# Altium PCB SVPX_FMC_6U_SOM.PcbDoc (part 1 of 9) (continued)
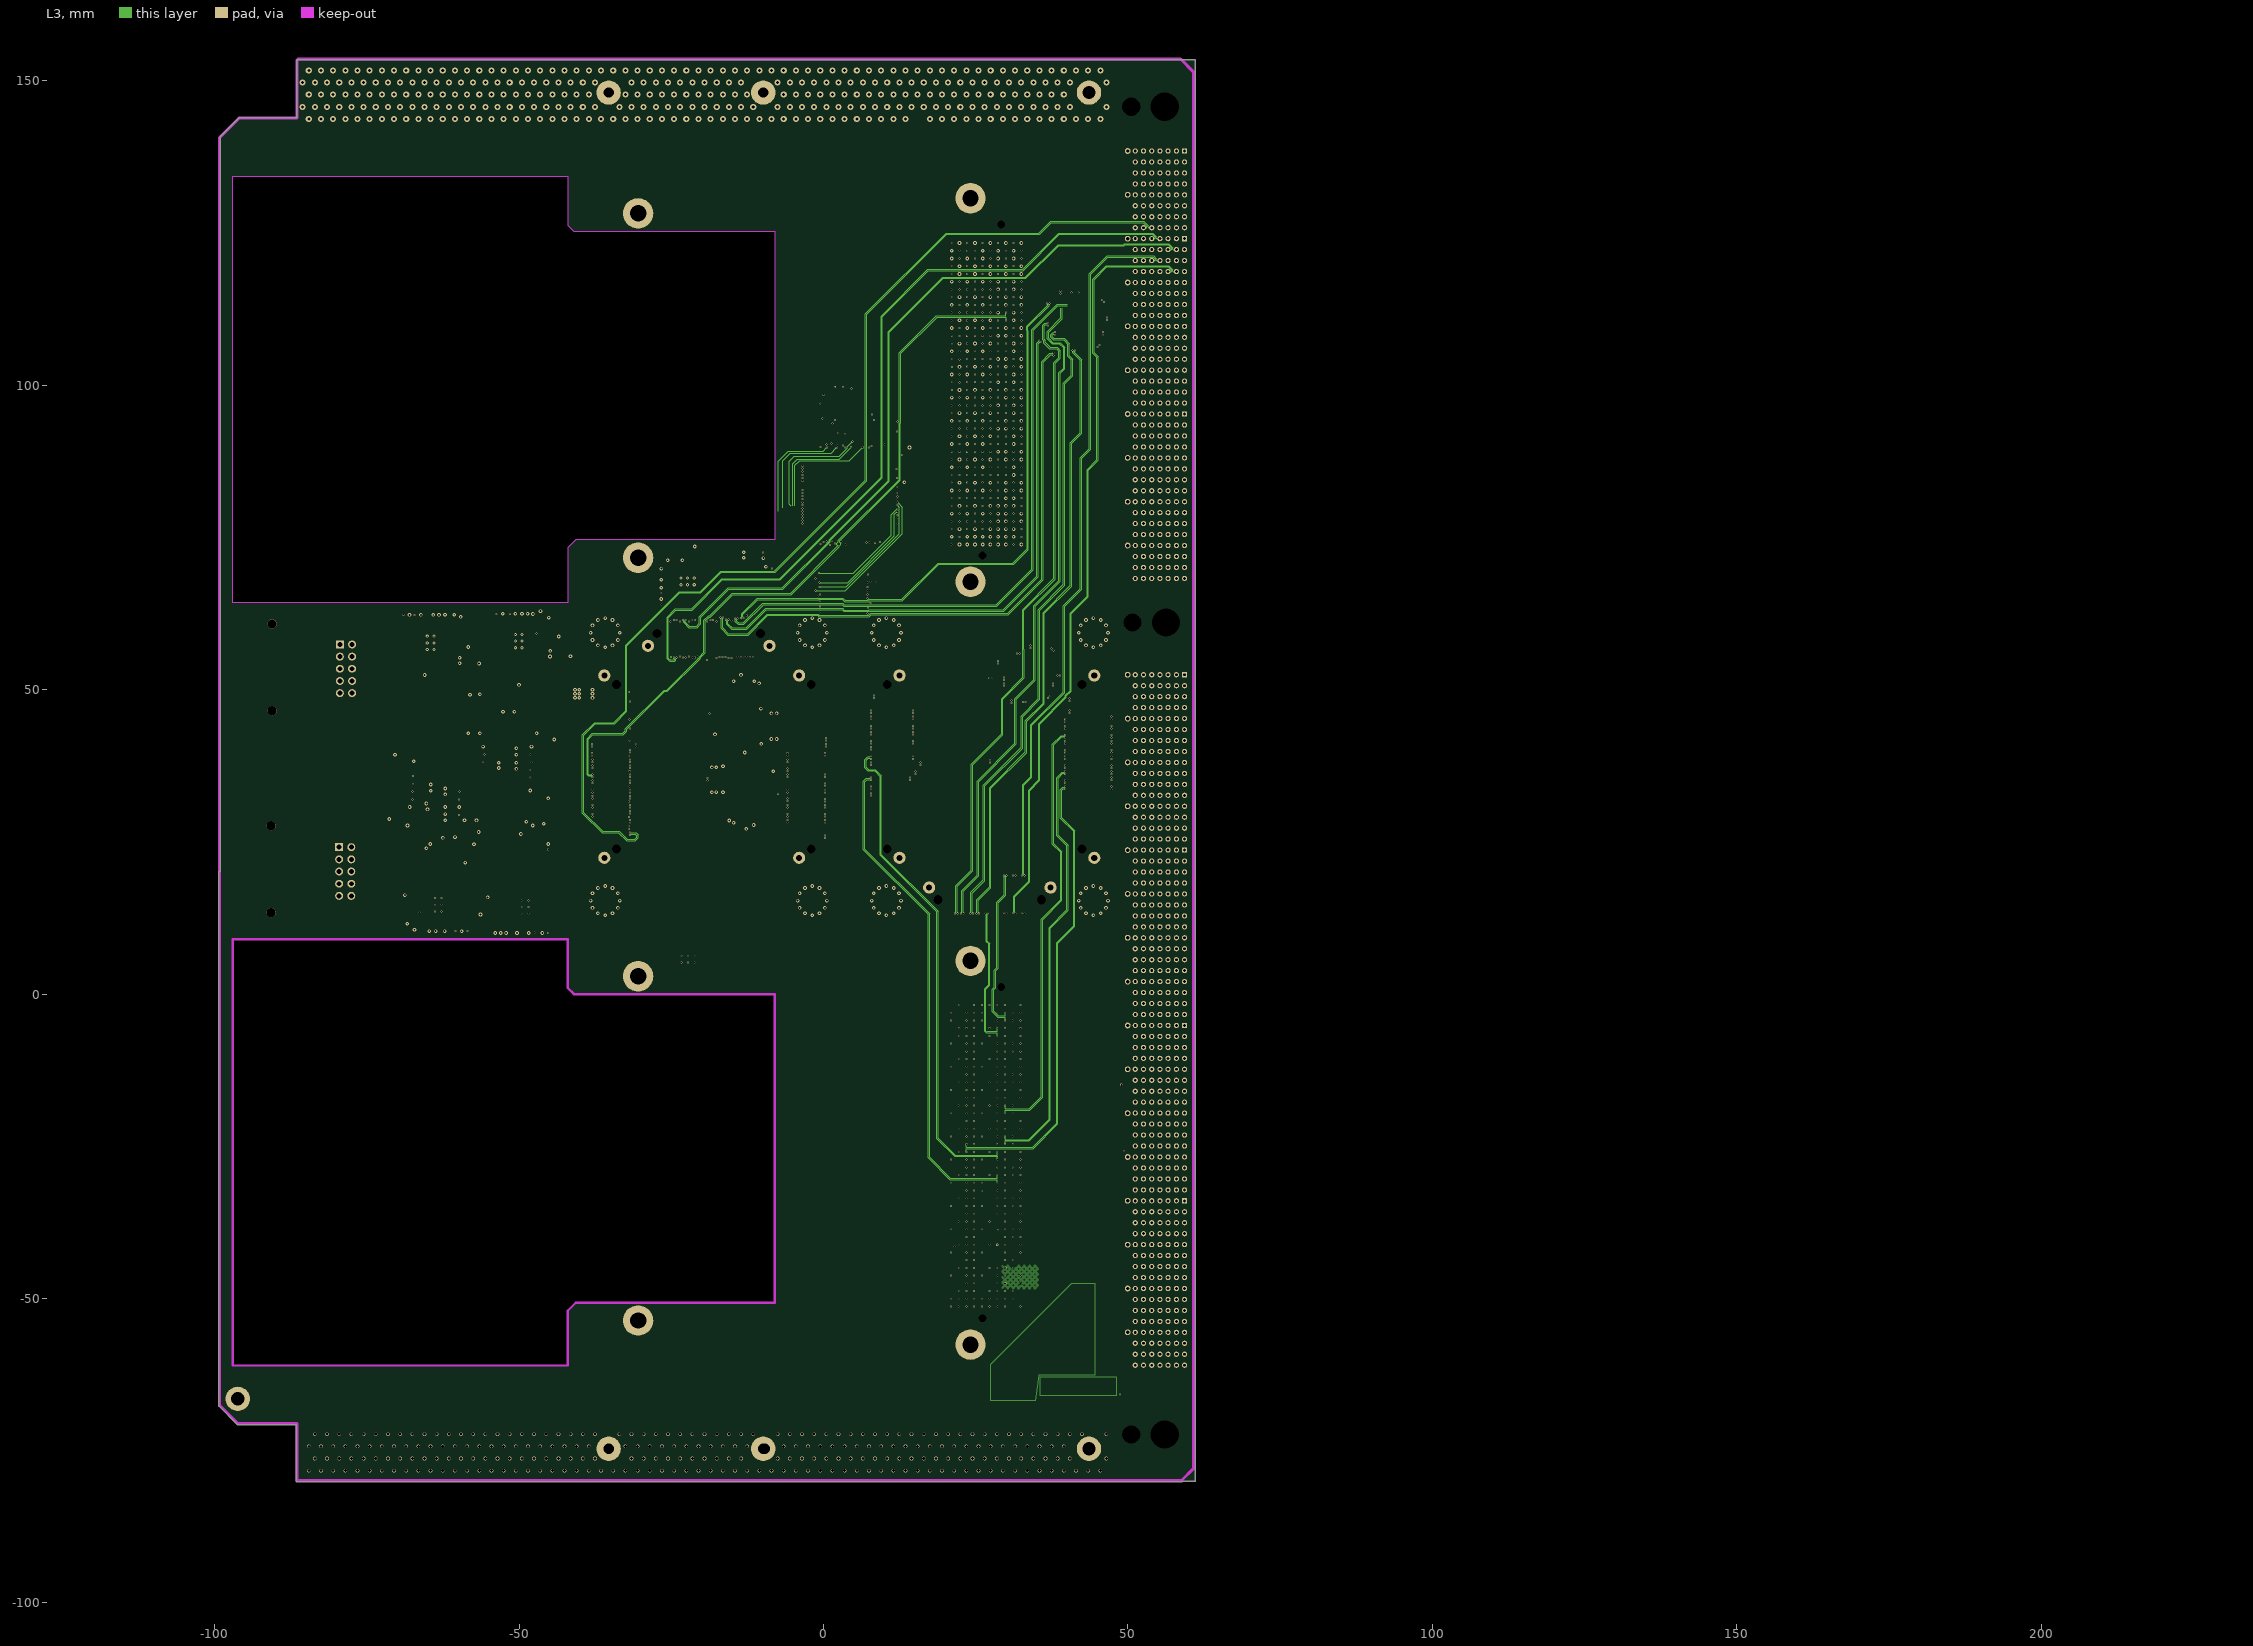
[diagram p7: L3]
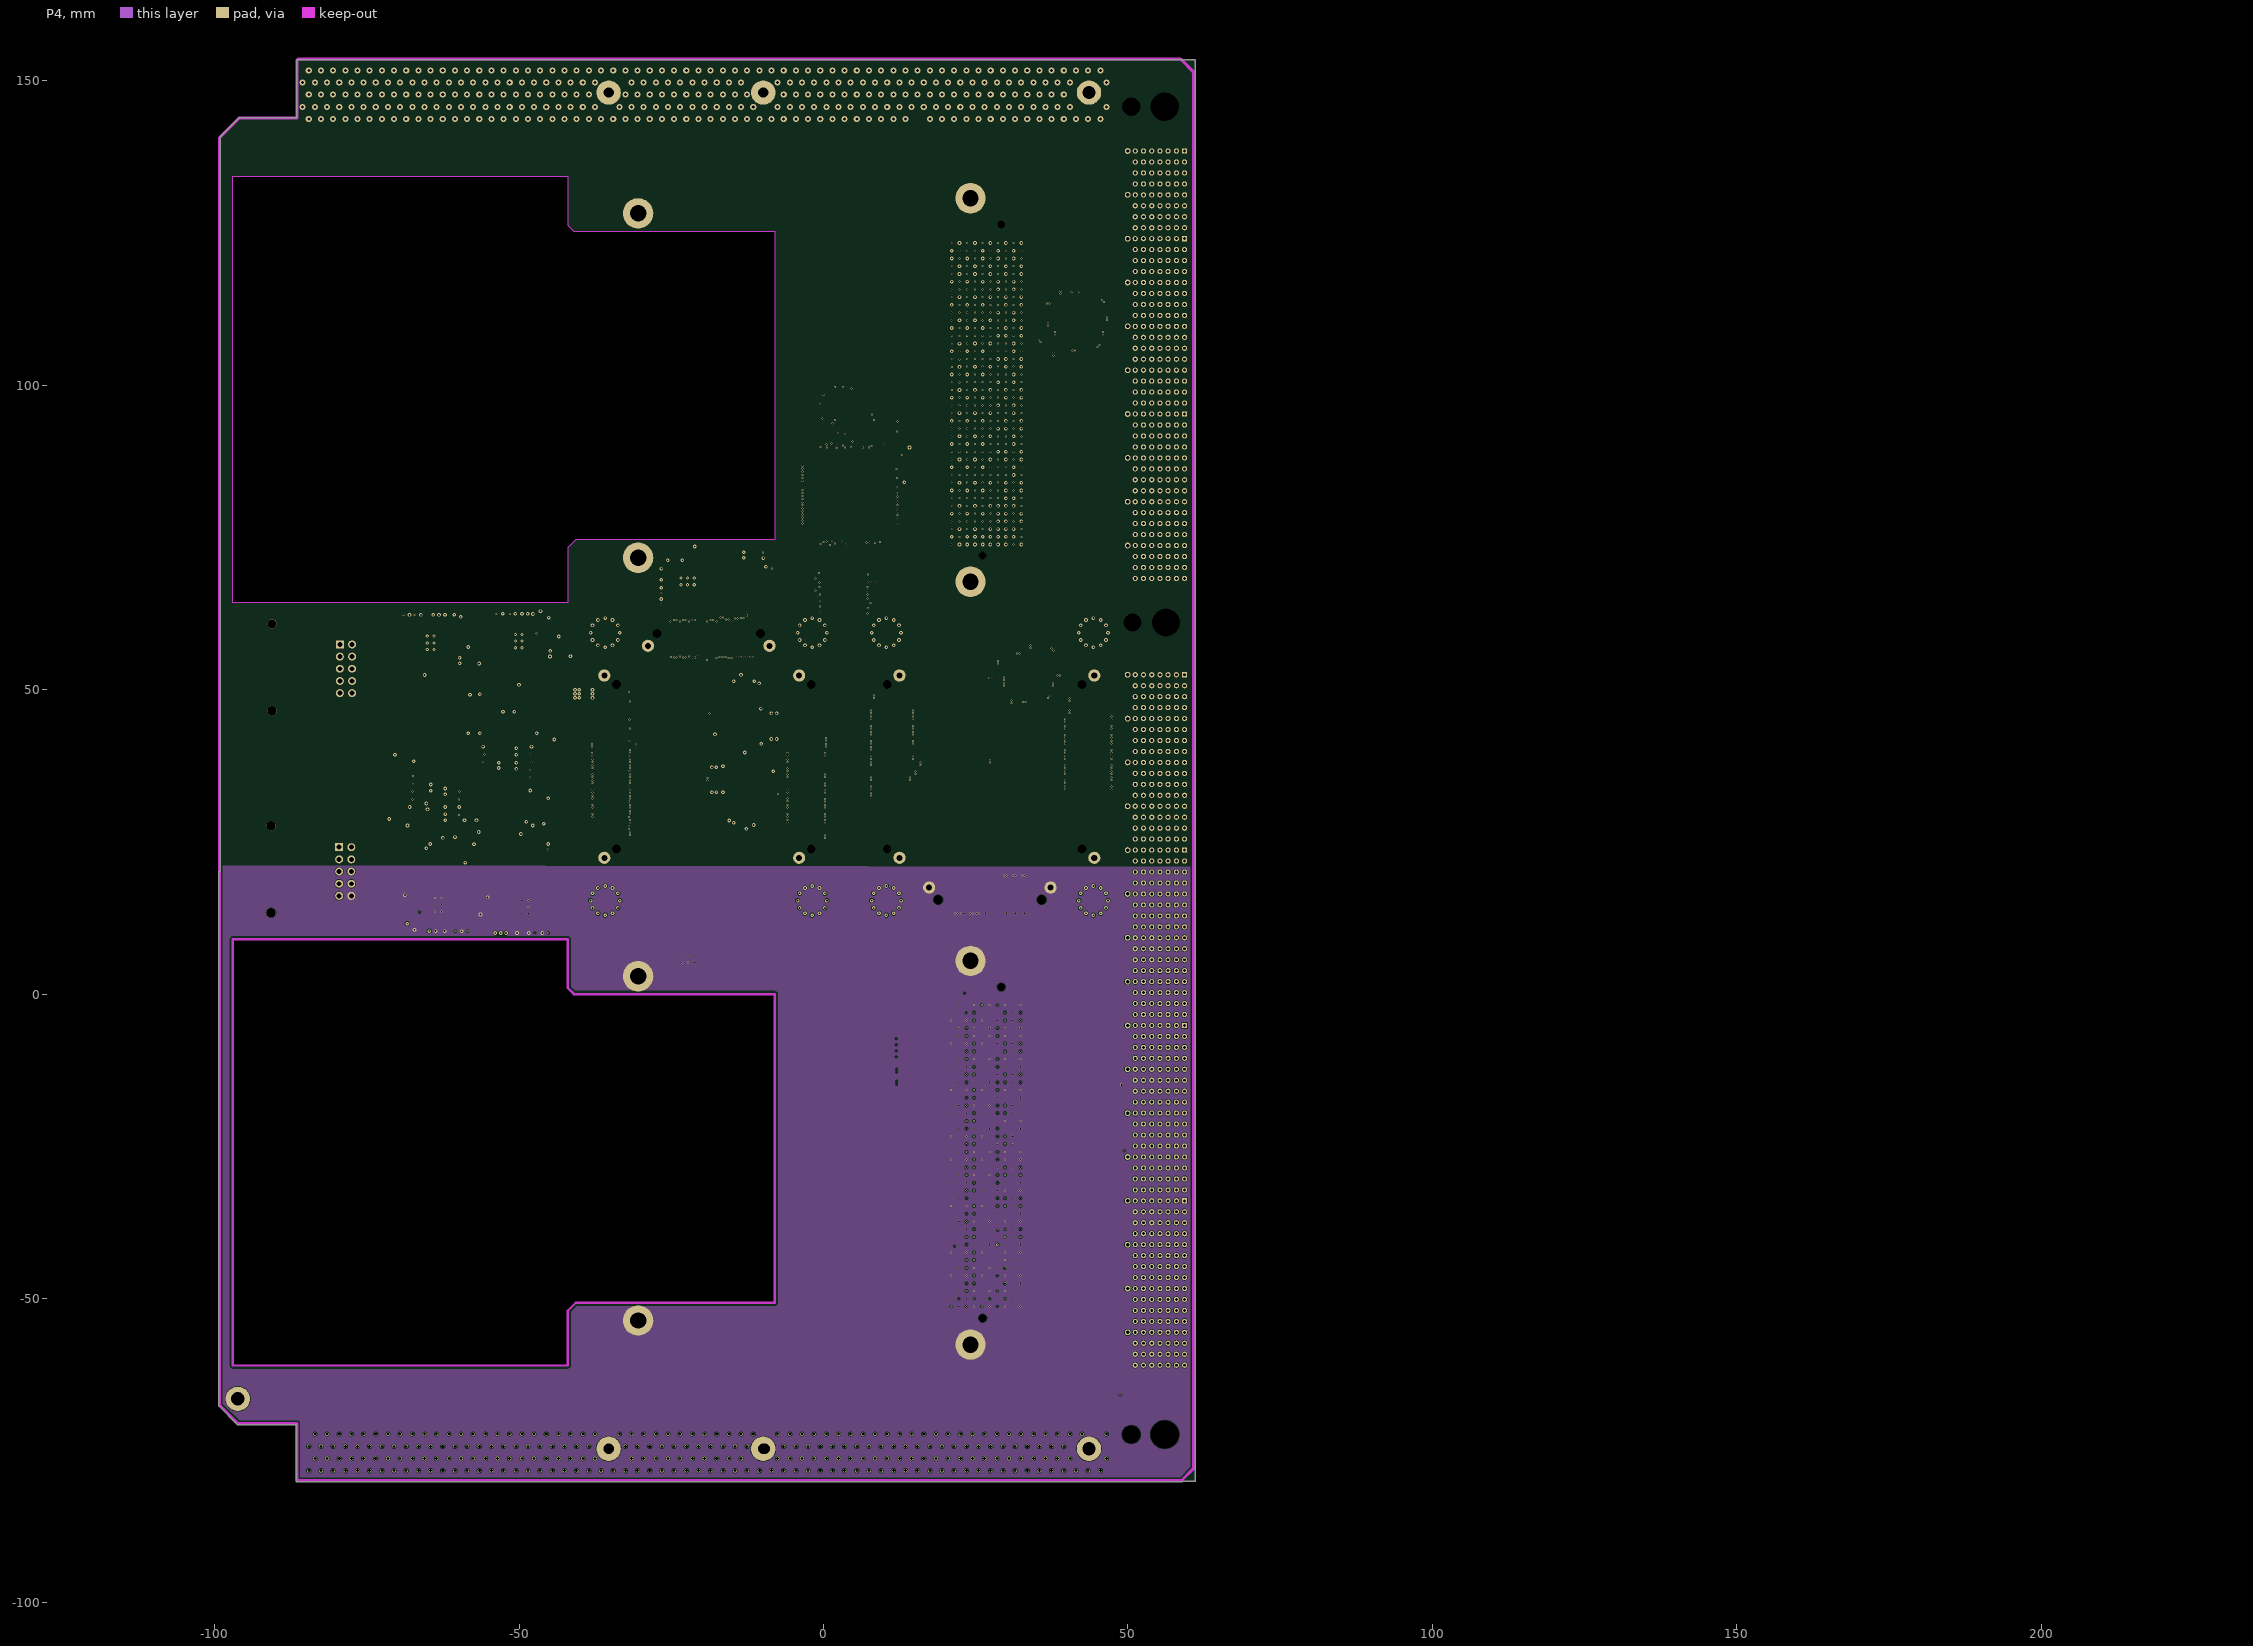
[diagram p8: P4]
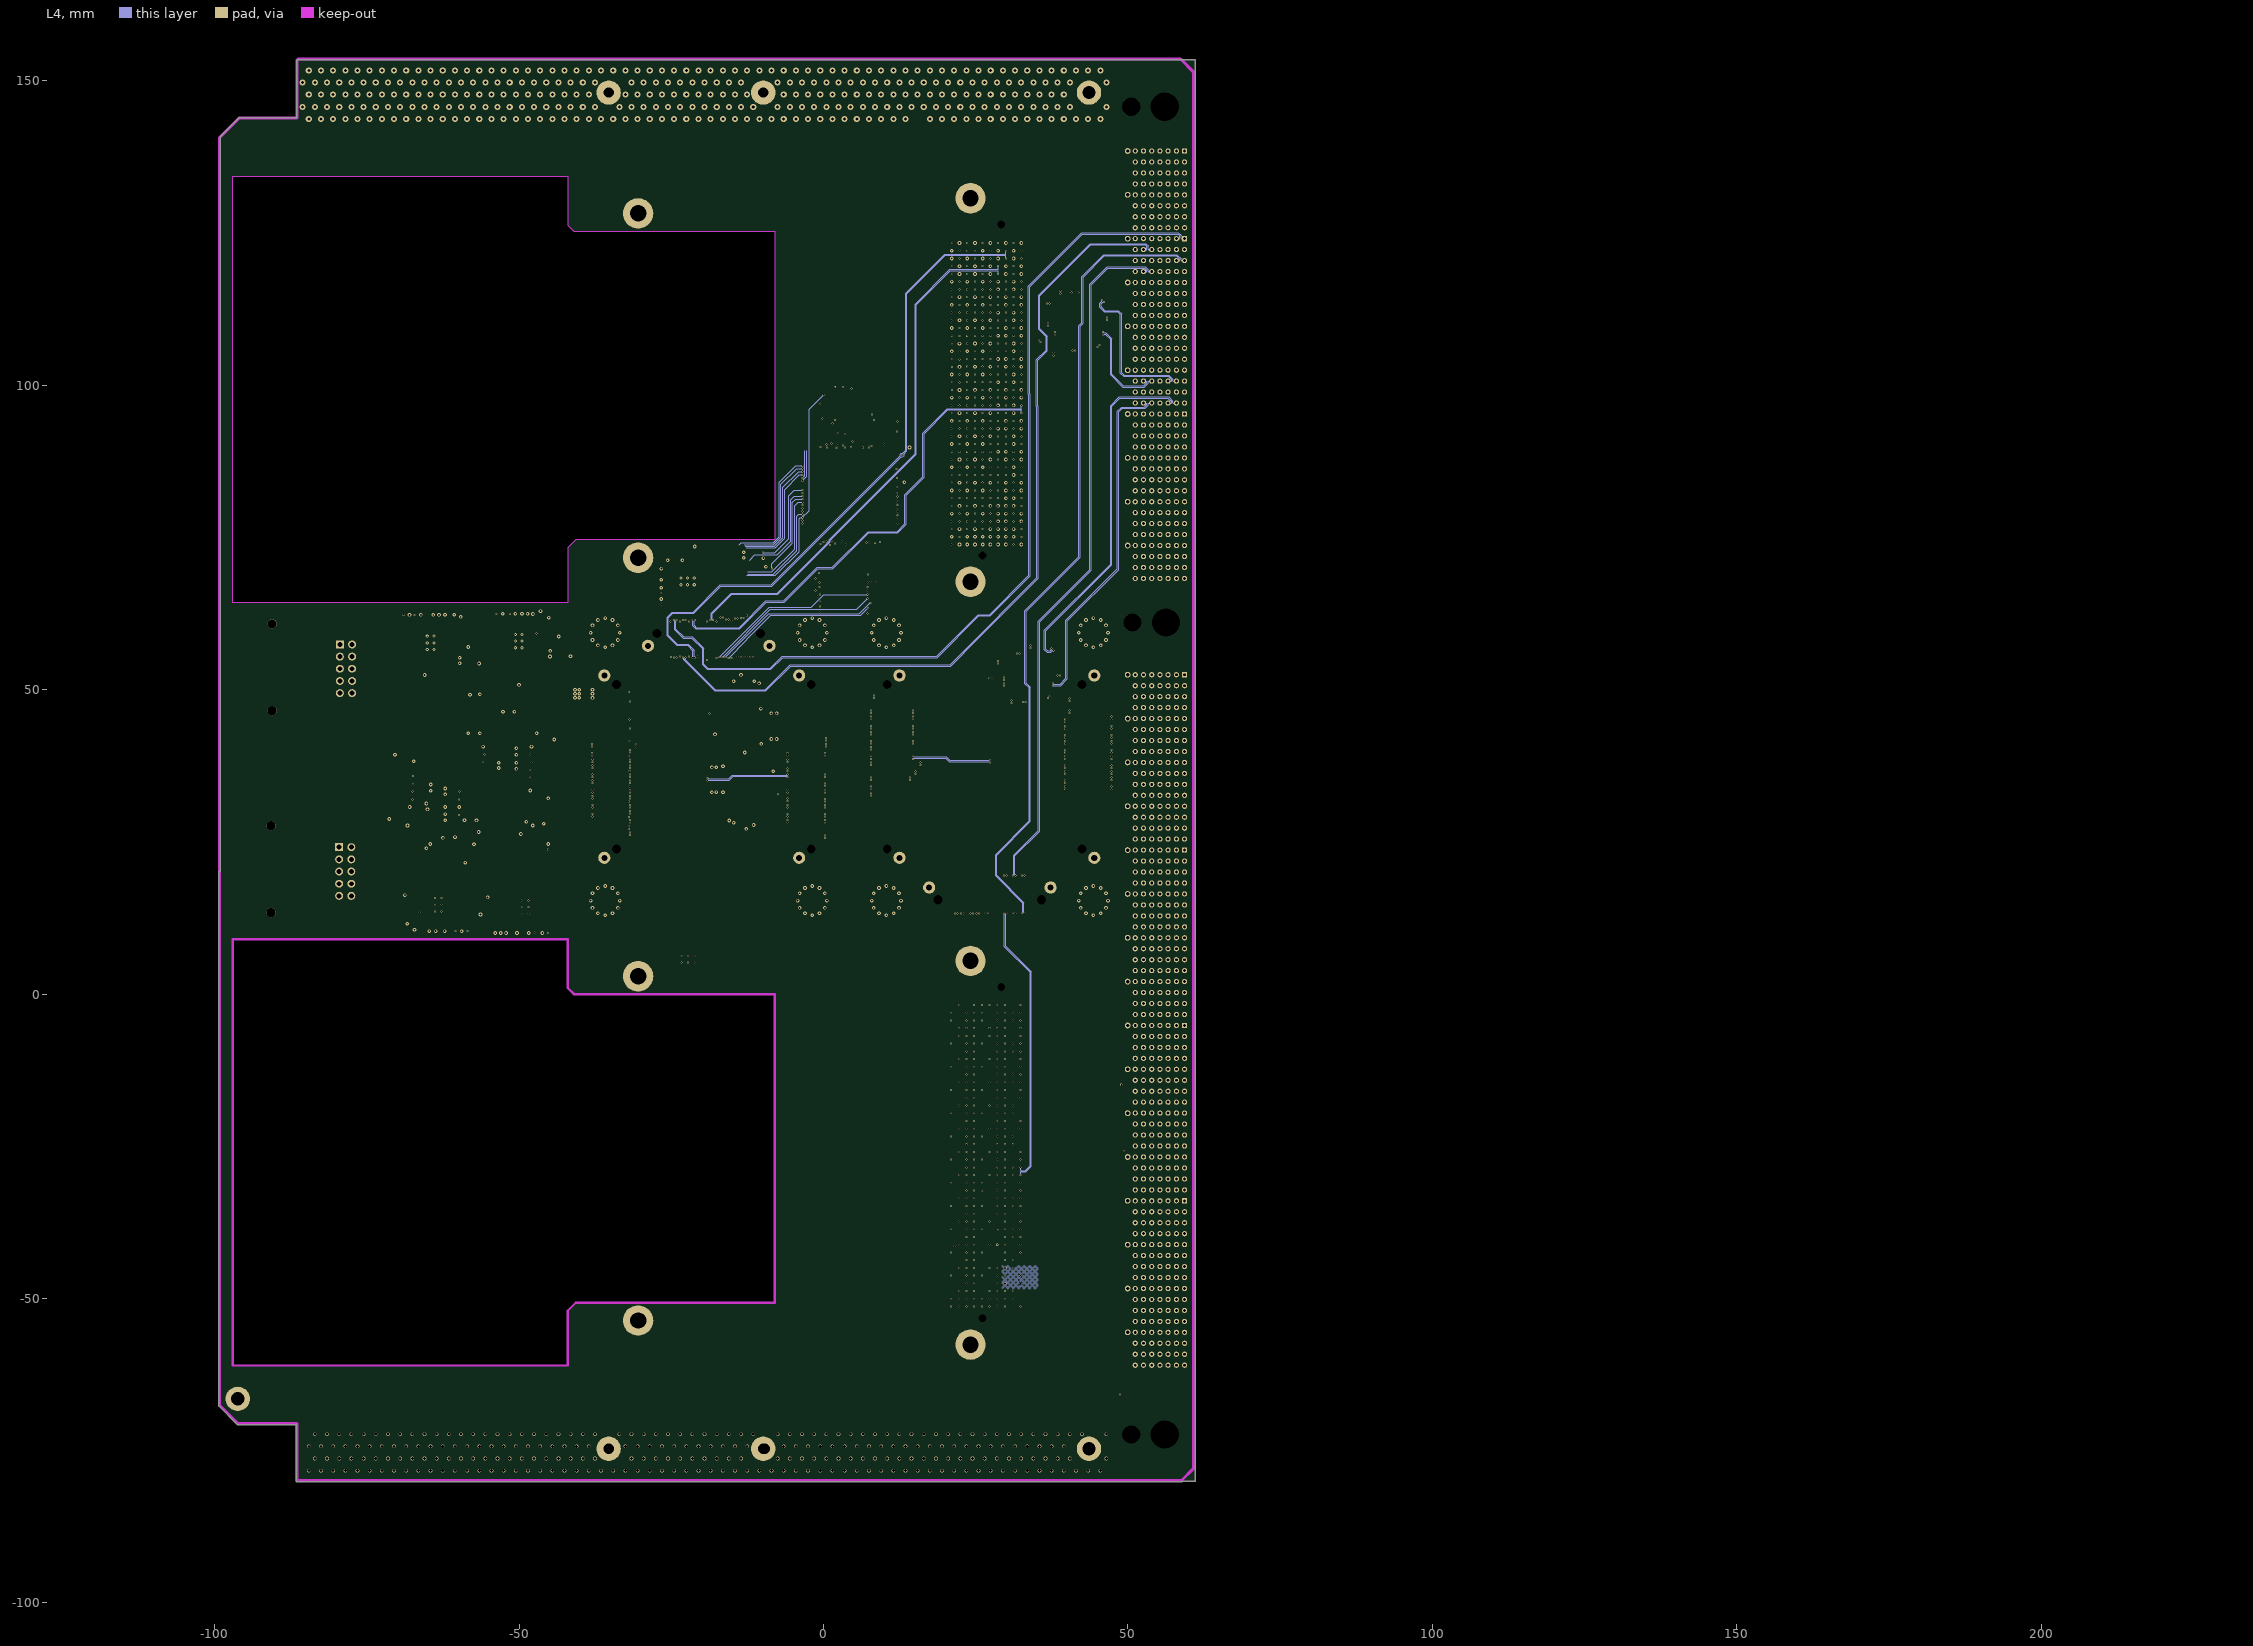
[diagram p9: L4]

## Layer stack, top to bottom
Top Solder: solder mask 0.01, Solder Resist, Dk 3.5
Top Layer: signal copper 0.053
Dielectric 1: prepreg 0.18, FR-4, Dk 4.7
L1: signal copper 0.0178
Dielectric 3: core 0.15, FR-4, Dk 4.7
P1: signal copper 0.018
Dielectric 4: prepreg 0.18, FR-4, Dk 4.7
L2: signal copper 0.018
Dielectric 8: core 0.15, FR-4, Dk 4.7
P2: signal copper 0.0178
Dielectric 2: prepreg 0.18, FR-4, Dk 4.7
P3: signal copper 0.018
Dielectric 9: core 0.15, FR-4, Dk 4.7
L3: signal copper 0.018
Dielectric 5: prepreg 0.18, FR-4, Dk 4.7
P4: signal copper 0.018
Dielectric 6: core 0.15, FR-4, Dk 4.7
L4: signal copper 0.0178
Dielectric 7: prepreg 0.18, FR-4, Dk 4.7
Bottom Layer: signal copper 0.053
Bottom Solder: solder mask 0.01, Solder Resist, Dk 3.5

## Board outline
-99.286,-67.675 cw(c-99.196,-67.585) -99.323,-67.585 -99.323,20.015 cw(c-99.196,20.015) -99.196,20.143 -99.046,20.143 -99.046,140.865 cw(c-98.996,140.865) -99.031,140.901 -96.032,143.901 cw(c-95.996,143.865) -95.996,143.916 -86.546,143.916 -86.546,153.365 cw(c-86.496,153.365) -86.496,153.416 61.004,153.416 cw(c61.004,153.365) 61.054,153.365 61.054,-79.985 cw(c61.004,-79.985) 61.004,-80.035 58.934,-80.035 58.894,-80.075 58.894,-80.074 cw(c58.804,-79.985) 58.804,-80.112 -86.496,-80.112 cw(c-86.496,-79.985) -86.623,-79.985 -86.623,-70.712 -96.196,-70.712 cw(c-96.196,-70.585) -96.287,-70.674 -96.286,-70.675
cut-out: -8,125.279 -8,74.579 -40.7,74.579 -42,73.279 -42,64.279 -97,64.279 -97,134.279 -42.002,134.279 -42,126.279 -41,125.279
cut-out: -8,0 -8,-50.7 -40.7,-50.7 -42,-52 -42,-61 -97,-61 -97,9 -42.002,9 -42,1 -41,0

## Design rules (kind name [scope] priority, off if disabled: settings)
Clearance Clearance_copper_balancing [InPoly vs OnLayer('Keep-Out Layer')] p1 off: gap=0.254 ignorepadtopadclearanceinfootprint=FALSE
Clearance Clearance_Diff_BGA_Pow [InPoly and (OnLayer('P4') or OnLayer('P3') or OnLayer('P2') or OnLayer('P1')) vs (InDifferentialPairClass('All Differential Pairs')   and (WithinRoom('BGA')or WithinRoom('U_FMC_connector') or WithinRoom('U_FMC_connector1') or WithinRoom('CLK_prot')))] p2: gap=0.4 ignorepadtopadclearanceinfootprint=FALSE except(0.1: Arc-Arc Arc-Track Arc-Via Arc-Fill Arc-Poly Arc-Region Arc-Hole Track-Track Track-Via Track-Fill Track-Poly Track-Region Track-Hole Via-Fill Via-Poly Via-Region; 0.2: THPad-Fill THPad-Poly THPad-Region Fill-Fill Fill-Poly Fill-Region Fill-Hole Poly-Poly Poly-Region Poly-Hole Region-Region Region-Hole)
Clearance Clearance_Diff_BGA [InPoly vs (InDifferentialPairClass('All Differential Pairs')   and (WithinRoom('U_FMC_connector1') or WithinRoom('U_FPGA SDRAM bank') or WithinRoom('CLK_prot')))] p3: gap=0.4 ignorepadtopadclearanceinfootprint=FALSE except(0.1: Arc-Via Arc-Hole Track-Via Track-Hole Via-Fill Via-Poly Via-Region; 0.2: THPad-Fill THPad-Poly THPad-Region Fill-Fill Fill-Poly Fill-Region Fill-Hole Poly-Poly Poly-Region Poly-Hole Region-Region Region-Hole)
Clearance Clearance_Diff_P [InPoly vs (InDifferentialPairClass('All Differential Pairs'))] p4: gap=0.4 ignorepadtopadclearanceinfootprint=FALSE
Clearance Clearance_Diff_Gap [(InDifferentialPairClass('All Differential Pairs'))] p5: gap=0.1 ignorepadtopadclearanceinfootprint=FALSE except(0: Text-Hole)
Clearance Clearance_BGA [WithinRoom('BGA') or WithinRoom('U_FPGA SDRAM bank')] p6: gap=0.1 ignorepadtopadclearanceinfootprint=FALSE
Clearance Clearance_Diff_Diff [(InDifferentialPairClass('All Differential Pairs')) vs (InDifferentialPairClass('All Differential Pairs'))] p7: gap=0.3 ignorepadtopadclearanceinfootprint=TRUE except(0.175: Arc-SMDPad Track-SMDPad SMDPad-Via; 0.2: SMDPad-SMDPad SMDPad-THPad SMDPad-Fill SMDPad-Poly SMDPad-Region SMDPad-Text SMDPad-Hole Via-Via)
Clearance Clearance_KeepOut [OnLayer('Keep-Out Layer')] p8: gap=0.3 ignorepadtopadclearanceinfootprint=FALSE except(0: Arc-Hole Track-Hole SMDPad-Hole THPad-Hole Via-Hole Fill-Hole Poly-Hole Region-Hole Text-Hole; 0.2: Arc-SMDPad Arc-THPad Track-SMDPad Track-THPad SMDPad-SMDPad SMDPad-THPad SMDPad-Via SMDPad-Fill SMDPad-Poly SMDPad-Region SMDPad-Text THPad-THPad THPad-Via THPad-Fill THPad-Poly THPad-Region THPad-Text Via-Via)
Clearance Clearance_LPDDR [InNetClass('LPDDR')] p9: gap=0.1 ignorepadtopadclearanceinfootprint=FALSE except(0.4: Arc-Fill Arc-Poly Arc-Region Track-Fill Track-Poly Track-Region THPad-Fill THPad-Poly THPad-Region Fill-Fill Fill-Poly Fill-Region Poly-Poly Poly-Region Region-Region)
Clearance Clearance_outerL [OnBottomLayer or OnTopLayer] p10: gap=0.125 ignorepadtopadclearanceinfootprint=FALSE except(0: Arc-Hole Track-Hole SMDPad-Hole THPad-Hole Via-Hole Fill-Hole Poly-Hole Region-Hole Text-Hole)
Clearance Clearance_innerL [OnMid] p11: gap=0.1 ignorepadtopadclearanceinfootprint=FALSE except(0: Arc-Hole Track-Hole SMDPad-Hole THPad-Hole Via-Hole Fill-Hole Poly-Hole Region-Hole Text-Hole; 0.08: THPad-Fill THPad-Poly THPad-Region)
Clearance [All] p12: gap=0.254 ignorepadtopadclearanceinfootprint=FALSE except(0: Arc-Hole Track-Hole SMDPad-Hole THPad-Hole Via-Hole Fill-Hole Poly-Hole Region-Hole Text-Hole; 0.1: Arc-Via Track-Via SMDPad-Via THPad-Via Via-Via Via-Fill Via-Poly Via-Region Via-Text)
ComponentClearance S_VPX_Clerance [InComponentClass('U_HDN_Control_Data') or InComponentClass('U_HDN_Management') vs InComponentClass('U_HDN_Control_Data') or InComponentClass('U_HDN_Management')] p1: gap=0.1 collisioncheckmode=3 verticalgap=0.1 showdistances=FALSE
ComponentClearance Kasetka_Clerance_J15 [OnMechanical and not IsComponent vs InComponent('J15')] p2: gap=-10 collisioncheckmode=3 verticalgap=-10 showdistances=FALSE
ComponentClearance Kasetka_Clerance_J19 [OnMechanical and not IsComponent vs InComponent('J19')] p3: gap=-10 collisioncheckmode=3 verticalgap=-10 showdistances=FALSE
ComponentClearance Kasetka_Clerance_J20 [OnMechanical and not IsComponent vs InComponent('J20')] p4: gap=-10 collisioncheckmode=3 verticalgap=-10 showdistances=FALSE
ComponentClearance Kasetka_Clerance_J9 [OnMechanical and not IsComponent vs InComponent('J9')] p5: gap=-10 collisioncheckmode=3 verticalgap=-10 showdistances=FALSE
ComponentClearance Kasetka_Clerance_J11 [OnMechanical and not IsComponent vs InComponent('J11')] p6: gap=-10 collisioncheckmode=3 verticalgap=-10 showdistances=FALSE
ComponentClearance Kasetka_Clerance [OnMechanical and not IsComponent] p7: gap=0.04 collisioncheckmode=3 verticalgap=0.04 showdistances=FALSE
ComponentClearance [All] p8: gap=0.254 collisioncheckmode=3 verticalgap=0.254 showdistances=FALSE
DiffPairsRouting "Schematic Differential Pairs Routing_2" [InNetClass('GBT')] p1: maxlimit=0.127 minlimit=0.109 mostfreqgap=0.11 toplayer_mingap=0.127 toplayer_prefgap=0.127 toplayer_minwidth=0.167 toplayer_maxwidth=0.18 toplayer_prefwidth=0.167 midlayer1_maxgap=0.109 midlayer1_prefgap=0.109 midlayer1_minwidth=0.086 midlayer1_maxwidth=0.086 midlayer1_prefwidth=0.086 midlayer2_mingap=0.11 midlayer2_maxgap=0.11 midlayer2_minwidth=0.086 midlayer2_maxwidth=0.086 midlayer2_prefwidth=0.086 midlayer3_mingap=0.11 midlayer3_maxgap=0.11 midlayer3_minwidth=0.086 midlayer3_maxwidth=0.086 midlayer3_prefwidth=0.086 midlayer4_maxgap=0.109 midlayer4_prefgap=0.109 midlayer4_minwidth=0.086 midlayer4_maxwidth=0.086 midlayer4_prefwidth=0.086 midlayer5_mingap=0.11 midlayer5_maxgap=0.11 midlayer5_minwidth=0.086 midlayer5_maxwidth=0.086 midlayer5_prefwidth=0.086 midlayer6_mingap=0.11 midlayer6_maxgap=0.11 midlayer6_minwidth=0.086 midlayer6_maxwidth=0.086 midlayer6_prefwidth=0.086 midlayer7_mingap=0.11 midlayer7_maxgap=0.11 midlayer7_minwidth=0.086 midlayer7_maxwidth=0.086 midlayer7_prefwidth=0.086 midlayer8_mingap=0.11 midlayer8_maxgap=0.11 midlayer8_minwidth=0.086 midlayer8_maxwidth=0.086 midlayer8_prefwidth=0.086 bottomlayer_mingap=0.127 bottomlayer_prefgap=0.127 bottomlayer_minwidth=0.167 bottomlayer_maxwidth=0.18 bottomlayer_prefwidth=0.167 impedanceprofiledriven=TRUE impedanceprofileid={4F5B92EC-7CFB-4C23-A893-FFD7F39F8F2D} impedanceprofilevalue=90.000000 maxuncoupledlength=12.7
DiffPairsRouting "Schematic Differential Pairs Routing" [InNetClass('FMC_LA')] p2: maxlimit=0.2 minlimit=0.127 mostfreqgap=0.15 toplayer_prefgap=0.127 toplayer_minwidth=0.118 toplayer_maxwidth=0.127 toplayer_prefwidth=0.118 midlayer1_minwidth=0.069 midlayer1_maxwidth=0.127 midlayer1_prefwidth=0.078 midlayer2_minwidth=0.069 midlayer2_maxwidth=0.127 midlayer2_prefwidth=0.078 midlayer3_minwidth=0.069 midlayer3_maxwidth=0.127 midlayer3_prefwidth=0.078 midlayer4_minwidth=0.069 midlayer4_maxwidth=0.127 midlayer4_prefwidth=0.078 midlayer5_minwidth=0.069 midlayer5_maxwidth=0.127 midlayer5_prefwidth=0.078 midlayer6_minwidth=0.069 midlayer6_maxwidth=0.127 midlayer6_prefwidth=0.078 midlayer7_minwidth=0.069 midlayer7_maxwidth=0.127 midlayer7_prefwidth=0.078 midlayer8_minwidth=0.069 midlayer8_maxwidth=0.127 midlayer8_prefwidth=0.078 bottomlayer_prefgap=0.127 bottomlayer_minwidth=0.118 bottomlayer_maxwidth=0.127 bottomlayer_prefwidth=0.118 impedanceprofiledriven=TRUE impedanceprofileid={22766B06-3AB4-40C8-A587-4374B89E318C} impedanceprofilevalue=100.000000 maxuncoupledlength=12.7
DiffPairsRouting DiffPairsRouting_GBT [InDifferentialPairClass('GBT')] p3: maxlimit=0.127 minlimit=0.109 mostfreqgap=0.11 toplayer_mingap=0.127 toplayer_prefgap=0.127 toplayer_minwidth=0.167 toplayer_maxwidth=0.18 toplayer_prefwidth=0.167 midlayer1_maxgap=0.109 midlayer1_prefgap=0.109 midlayer1_minwidth=0.086 midlayer1_maxwidth=0.086 midlayer1_prefwidth=0.086 midlayer2_mingap=0.11 midlayer2_maxgap=0.11 midlayer2_minwidth=0.086 midlayer2_maxwidth=0.086 midlayer2_prefwidth=0.086 midlayer3_mingap=0.11 midlayer3_maxgap=0.11 midlayer3_minwidth=0.086 midlayer3_maxwidth=0.086 midlayer3_prefwidth=0.086 midlayer4_maxgap=0.109 midlayer4_prefgap=0.109 midlayer4_minwidth=0.086 midlayer4_maxwidth=0.086 midlayer4_prefwidth=0.086 midlayer5_mingap=0.11 midlayer5_maxgap=0.11 midlayer5_minwidth=0.086 midlayer5_maxwidth=0.086 midlayer5_prefwidth=0.086 midlayer6_mingap=0.11 midlayer6_maxgap=0.11 midlayer6_minwidth=0.086 midlayer6_maxwidth=0.086 midlayer6_prefwidth=0.086 midlayer7_mingap=0.11 midlayer7_maxgap=0.11 midlayer7_minwidth=0.086 midlayer7_maxwidth=0.086 midlayer7_prefwidth=0.086 midlayer8_mingap=0.11 midlayer8_maxgap=0.11 midlayer8_minwidth=0.086 midlayer8_maxwidth=0.086 midlayer8_prefwidth=0.086 bottomlayer_mingap=0.127 bottomlayer_prefgap=0.127 bottomlayer_minwidth=0.167 bottomlayer_maxwidth=0.18 bottomlayer_prefwidth=0.167 impedanceprofiledriven=TRUE impedanceprofileid={4F5B92EC-7CFB-4C23-A893-FFD7F39F8F2D} impedanceprofilevalue=90.000000 maxuncoupledlength=12.7
DiffPairsRouting [InDifferentialPairClass('All Differential Pairs')] p4: maxlimit=0.2 minlimit=0.127 mostfreqgap=0.15 toplayer_prefgap=0.127 toplayer_minwidth=0.118 toplayer_maxwidth=0.127 toplayer_prefwidth=0.118 midlayer1_minwidth=0.069 midlayer1_maxwidth=0.127 midlayer1_prefwidth=0.078 midlayer2_minwidth=0.069 midlayer2_maxwidth=0.127 midlayer2_prefwidth=0.078 midlayer3_minwidth=0.069 midlayer3_maxwidth=0.127 midlayer3_prefwidth=0.078 midlayer4_minwidth=0.069 midlayer4_maxwidth=0.127 midlayer4_prefwidth=0.078 midlayer5_minwidth=0.069 midlayer5_maxwidth=0.127 midlayer5_prefwidth=0.078 midlayer6_minwidth=0.069 midlayer6_maxwidth=0.127 midlayer6_prefwidth=0.078 midlayer7_minwidth=0.069 midlayer7_maxwidth=0.127 midlayer7_prefwidth=0.078 midlayer8_minwidth=0.069 midlayer8_maxwidth=0.127 midlayer8_prefwidth=0.078 bottomlayer_prefgap=0.127 bottomlayer_minwidth=0.118 bottomlayer_maxwidth=0.127 bottomlayer_prefwidth=0.118 impedanceprofiledriven=TRUE impedanceprofileid={22766B06-3AB4-40C8-A587-4374B89E318C} impedanceprofilevalue=100.000000 maxuncoupledlength=12.7
FanoutControl Fanout_BGA [IsBGA] p1: bgadir=SE bgaviamode=Centered fanoutstyle=BGA fanoutdirection=Alternating viagrid=0.025 // Fanout_BGA (Default Rule)
FanoutControl Fanout_LCC [IsLCC] p2: bgadir=SE bgaviamode=Centered fanoutstyle=Auto fanoutdirection=Alternating viagrid=0.025 // Fanout_LCC (Default Rule)
FanoutControl Fanout_Default [All] p5: bgadir=SE bgaviamode=Centered fanoutstyle=BGA fanoutdirection=Alternating viagrid=0.025 // Fanout_Default (Default Rule)
HoleSize [All] p1: absolutevalues=TRUE maxlimit=2.54 minlimit=0.1 maxpercent=80.000 minpercent=20.000
MatchedLengths MatchedLengths_xUTP [InxSignalClass('UTP')] p1: tolerance=1 checknetsindiffpair=FALSE checkdiffpairvsdiffpair=TRUE checkxsignals=TRUE checkothers=TRUE
MatchedLengths MatchedLengths_LA [InDifferentialPairClass('Diff_LA')] p2: tolerance=5 checknetsindiffpair=FALSE checkdiffpairvsdiffpair=TRUE checkxsignals=TRUE checkothers=TRUE